# Altium PCB RTM_SFP.PcbDoc (part 16 of 17)
Units mil, origin at the board's own origin, x right, y up, seen from the top; angles counter-clockwise.
Board outline 7185 x 5846.5 mil, 4 copper layers (Top Layer, MidPlane_1, MidPlane_2, Bottom Layer), stack 63.553 mil thick; 389 components, 333 nets, 1578 pads, 1486 vias.
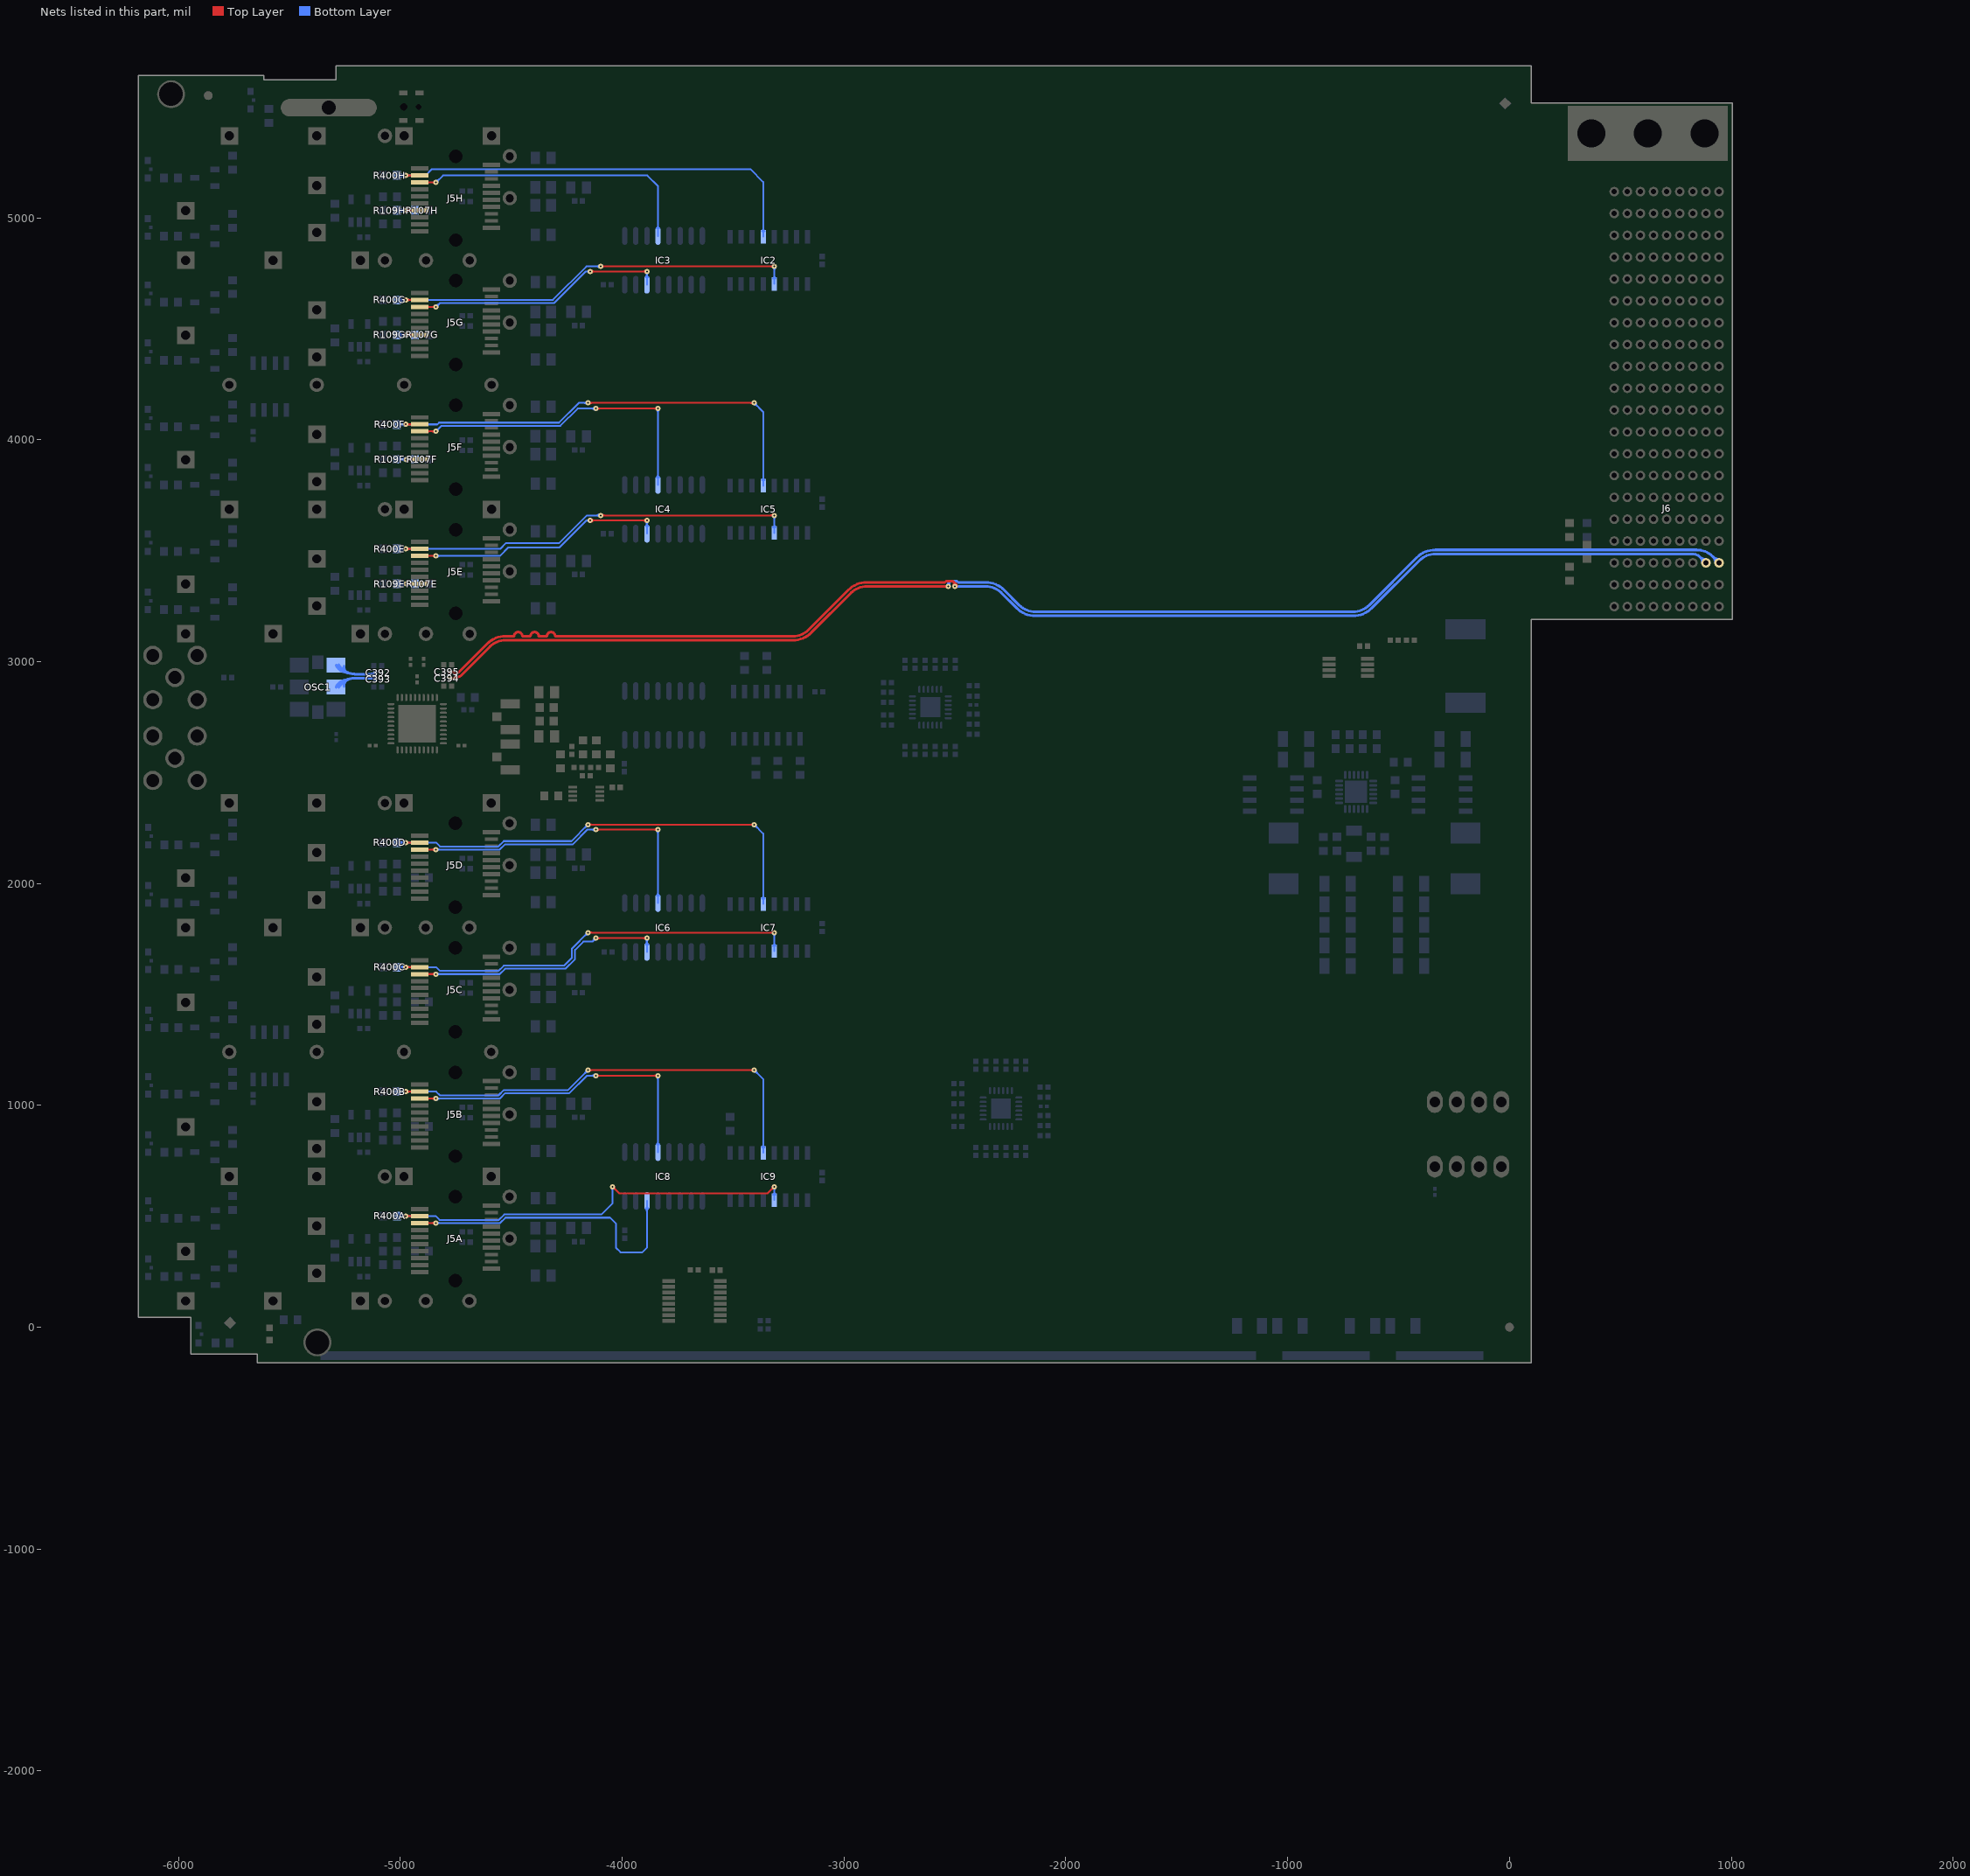
[diagram p18: the nets of this part, all layers, seen from the top]

## Via types
v1: diameter 23.62, hole 7.87, Top Layer to Bottom Layer, tented both sides, 1401 vias
v2: diameter 27.56, hole 11.81, Top Layer to Bottom Layer, tented both sides, 59 vias
v3: diameter 25.98, hole 12.99, Top Layer to Bottom Layer, tented top, 24 vias
v4: diameter 23.62, hole 11.81, Top Layer to Bottom Layer, tented both sides, 2 vias

## Nets (pads, with @x,y where several pads share a name; then routed paths per layer and width w, separated by ;. In a path a pad name is that pad's centre, name@x,y a point inside that pad or via, vN(x,y) a via of type N, cw(c..) or ccw(c..) an arc to the next point about the centre after c; other vN are vias at no path point) (continued)
SFP_SYNCE_REFCLKE: J5E.7 R107E.1 R109E.2 | length 555.2
  Top Layer w7.99: v1(-4974.92,3350.39) J5E.7@-4912.67,3350.39 ; -4956.67,3350.39 ccw(c-4956.67,3365.37) J5E.7@-4946.08,3354.78 ; -4955.45,3350.39 cw(c-4955.45,3337.14) J5E.7@-4946.08,3346.51 ; -4956.05,3350.39 cw(c-4956.05,3369.26) -4969.39,3355.92 ccw(c-4956.05,3369.26) -4956.05,3350.39 ; -4956.05,3350.39 ccw(c-4956.05,3331.53) -4969.39,3344.87 cw(c-4956.05,3331.53) -4956.05,3350.39
  Bottom Layer w7.99: R109E.2@-5015.75,3350.39 v1(-4974.92,3350.39) R107E.1@-4933.65,3350.39 ; R109E.2@-5006.05,3340.69 cw(c-4982.62,3317.27) -4982.62,3350.39 cw(c-4982.62,3383.52) R109E.2@-5006.05,3360.1 ; -4995.85,3346.85 cw(c-4990.71,3327.67) v1@-4979.38,3343.98 ; -4995.85,3353.94 ccw(c-4990.71,3373.12) v1@-4979.38,3356.81 ; -4989.01,3348.68 ccw(c-4992.13,3360.33) v1@-4981.69,3354.3 ; -4989.01,3352.11 cw(c-4992.13,3340.46) v1@-4981.69,3346.49 ; v1@-4970.46,3343.98 cw(c-4958.95,3327.45) -4953.74,3346.9 ; v1@-4970.46,3356.81 ccw(c-4958.95,3373.34) -4953.74,3353.89 ; v1@-4968.15,3346.49 cw(c-4958.05,3340.65) -4961.07,3351.92 ; v1@-4968.15,3354.3 ccw(c-4958.05,3360.13) -4961.07,3348.87 ; R107E.1@-4943.35,3340.69 ccw(c-4966.77,3317.27) -4966.77,3350.39 ccw(c-4966.77,3383.52) R107E.1@-4943.35,3360.1 ; -4993.79,3350.39 cw(c-4993.79,3331.53) -4980.45,3344.87 ccw(c-4993.79,3331.53) -4993.79,3350.39 ; -4993.79,3350.39 ccw(c-4993.79,3369.26) -4980.45,3355.92 cw(c-4993.79,3369.26) -4993.79,3350.39 ; -4956.05,3350.39 cw(c-4956.05,3369.26) -4969.39,3355.92 ccw(c-4956.05,3369.26) -4956.05,3350.39 ; -4956.05,3350.39 ccw(c-4956.05,3331.53) -4969.39,3344.87 cw(c-4956.05,3331.53) -4956.05,3350.39
SFP_SYNCE_REFCLKF: J5F.7 R107F.1 R109F.2 | length 555.2
  Top Layer w7.99: v1(-4974.92,3911.42) J5F.7@-4912.67,3911.42 ; -4956.67,3911.42 ccw(c-4956.67,3926.39) J5F.7@-4946.08,3915.8 ; -4955.45,3911.42 cw(c-4955.45,3898.16) J5F.7@-4946.08,3907.54 ; -4956.05,3911.42 cw(c-4956.05,3930.29) -4969.39,3916.94 ccw(c-4956.05,3930.29) -4956.05,3911.42 ; -4956.05,3911.42 ccw(c-4956.05,3892.55) -4969.39,3905.89 cw(c-4956.05,3892.55) -4956.05,3911.42
  Bottom Layer w7.99: R109F.2@-5015.75,3911.42 v1(-4974.92,3911.42) R107F.1@-4933.65,3911.42 ; R109F.2@-5006.05,3901.72 cw(c-4982.62,3878.29) -4982.62,3911.42 cw(c-4982.63,3944.54) R109F.2@-5006.05,3921.12 ; -4995.85,3907.87 cw(c-4990.71,3888.69) v1@-4979.38,3905 ; -4995.85,3914.96 ccw(c-4990.71,3934.14) v1@-4979.38,3917.84 ; -4989.01,3909.71 ccw(c-4992.13,3921.36) v1@-4981.69,3915.33 ; -4989.01,3913.13 cw(c-4992.13,3901.48) v1@-4981.69,3907.51 ; v1@-4970.46,3905 cw(c-4958.95,3888.47) -4953.74,3907.93 ; v1@-4970.46,3917.83 ccw(c-4958.95,3934.36) -4953.74,3914.91 ; v1@-4968.15,3907.51 cw(c-4958.05,3901.68) -4961.07,3912.94 ; v1@-4968.15,3915.33 ccw(c-4958.05,3921.16) -4961.07,3909.89 ; R107F.1@-4943.35,3901.72 ccw(c-4966.77,3878.29) -4966.77,3911.42 ccw(c-4966.77,3944.54) R107F.1@-4943.35,3921.12 ; -4993.79,3911.42 cw(c-4993.79,3892.55) -4980.45,3905.89 ccw(c-4993.79,3892.55) -4993.79,3911.42 ; -4993.79,3911.42 ccw(c-4993.79,3930.29) -4980.45,3916.94 cw(c-4993.79,3930.29) -4993.79,3911.42 ; -4956.05,3911.42 cw(c-4956.05,3930.29) -4969.39,3916.94 ccw(c-4956.05,3930.29) -4956.05,3911.42 ; -4956.05,3911.42 ccw(c-4956.05,3892.55) -4969.39,3905.89 cw(c-4956.05,3892.55) -4956.05,3911.42
SFP_SYNCE_REFCLKG: J5G.7 R107G.1 R109G.2 | length 555.2
  Top Layer w7.99: v1(-4974.92,4472.44) J5G.7@-4912.67,4472.44 ; -4956.67,4472.44 ccw(c-4956.67,4487.42) J5G.7@-4946.08,4476.83 ; -4955.45,4472.44 cw(c-4955.45,4459.19) J5G.7@-4946.08,4468.56 ; -4956.05,4472.44 cw(c-4956.05,4491.31) -4969.39,4477.97 ccw(c-4956.05,4491.31) -4956.05,4472.44 ; -4956.05,4472.44 ccw(c-4956.05,4453.57) -4969.39,4466.92 cw(c-4956.05,4453.57) -4956.05,4472.44
  Bottom Layer w7.99: R109G.2@-5015.75,4472.44 v1(-4974.92,4472.44) R107G.1@-4933.65,4472.44 ; R109G.2@-5006.05,4462.74 cw(c-4982.62,4439.31) -4982.62,4472.44 cw(c-4982.63,4505.56) R109G.2@-5006.05,4482.14 ; -4995.85,4468.9 cw(c-4990.71,4449.72) v1@-4979.38,4466.02 ; -4995.85,4475.99 ccw(c-4990.71,4495.16) v1@-4979.38,4478.86 ; -4989.01,4470.73 ccw(c-4992.14,4482.38) v1@-4981.69,4476.35 ; -4989.01,4474.15 cw(c-4992.13,4462.51) v1@-4981.69,4468.53 ; v1@-4970.46,4466.03 cw(c-4958.95,4449.49) -4953.74,4468.95 ; v1@-4970.46,4478.86 ccw(c-4958.95,4495.39) -4953.74,4475.93 ; v1@-4968.15,4468.53 cw(c-4958.05,4462.7) -4961.07,4473.97 ; v1@-4968.15,4476.35 ccw(c-4958.05,4482.18) -4961.07,4470.91 ; R107G.1@-4943.35,4462.74 ccw(c-4966.77,4439.31) -4966.77,4472.44 ccw(c-4966.77,4505.56) R107G.1@-4943.35,4482.14 ; -4993.79,4472.44 cw(c-4993.79,4453.57) -4980.45,4466.92 ccw(c-4993.79,4453.57) -4993.79,4472.44 ; -4993.79,4472.44 ccw(c-4993.79,4491.31) -4980.45,4477.97 cw(c-4993.79,4491.31) -4993.79,4472.44 ; -4956.05,4472.44 cw(c-4956.05,4491.31) -4969.39,4477.97 ccw(c-4956.05,4491.31) -4956.05,4472.44 ; -4956.05,4472.44 ccw(c-4956.05,4453.57) -4969.39,4466.92 cw(c-4956.05,4453.57) -4956.05,4472.44
SFP_SYNCE_REFCLKH: J5H.7 R107H.1 R109H.2 | length 555.2
  Top Layer w7.99: v1(-4974.92,5033.47) J5H.7@-4912.67,5033.47 ; -4956.67,5033.47 ccw(c-4956.67,5048.44) J5H.7@-4946.08,5037.85 ; -4955.45,5033.47 cw(c-4955.45,5020.21) J5H.7@-4946.08,5029.58 ; -4956.05,5033.47 cw(c-4956.05,5052.33) -4969.39,5038.99 ccw(c-4956.05,5052.33) -4956.05,5033.47 ; -4956.05,5033.47 ccw(c-4956.05,5014.6) -4969.39,5027.94 cw(c-4956.05,5014.6) -4956.05,5033.47
  Bottom Layer w7.99: R109H.2@-5015.75,5033.47 v1(-4974.92,5033.47) R107H.1@-4933.65,5033.46 ; R109H.2@-5006.05,5023.76 cw(c-4982.62,5000.34) -4982.62,5033.47 cw(c-4982.62,5066.59) R109H.2@-5006.05,5043.17 ; -4995.85,5029.92 cw(c-4990.71,5010.74) v1@-4979.38,5027.05 ; -4995.85,5037.01 ccw(c-4990.71,5056.19) v1@-4979.38,5039.88 ; -4989.01,5031.75 ccw(c-4992.13,5043.4) v1@-4981.69,5037.37 ; -4989.01,5035.18 cw(c-4992.13,5023.53) v1@-4981.69,5029.56 ; v1@-4970.46,5027.05 cw(c-4958.95,5010.51) -4953.74,5029.97 ; v1@-4970.46,5039.88 ccw(c-4958.95,5056.41) -4953.74,5036.96 ; v1@-4968.15,5029.56 cw(c-4958.05,5023.73) -4961.07,5034.99 ; v1@-4968.15,5037.37 ccw(c-4958.05,5043.21) -4961.07,5031.94 ; R107H.1@-4943.35,5023.76 ccw(c-4966.77,5000.34) -4966.77,5033.47 ccw(c-4966.77,5066.59) R107H.1@-4943.35,5043.17 ; -4993.79,5033.47 cw(c-4993.79,5014.6) -4980.45,5027.94 ccw(c-4993.79,5014.6) -4993.79,5033.47 ; -4993.79,5033.47 ccw(c-4993.79,5052.33) -4980.45,5038.99 cw(c-4993.79,5052.33) -4993.79,5033.47 ; -4956.05,5033.47 cw(c-4956.05,5052.33) -4969.39,5038.99 ccw(c-4956.05,5052.33) -4956.05,5033.47 ; -4956.05,5033.47 ccw(c-4956.05,5014.6) -4969.39,5027.94 cw(c-4956.05,5014.6) -4956.05,5033.47
SFP_TXDISABLE1: IC3.4 J5H.3 | length 1502.6
  Top Layer w7.99: J5H.3@-4912.42,5159.7 v1(-4839.51,5159.7) ; J5H.3@-4878.76,5155.57 cw(c-4868.77,5145.59) -4868.77,5159.7 cw(c-4868.77,5173.82) J5H.3@-4878.76,5163.84 ; -4858.38,5159.7 cw(c-4858.38,5140.83) -4845.04,5154.18 ccw(c-4858.38,5140.83) -4858.38,5159.7 ; -4858.38,5159.7 ccw(c-4858.38,5178.57) -4845.04,5165.23 cw(c-4858.38,5178.57) -4858.38,5159.7
  Bottom Layer w7.99: v1(-4839.51,5159.7) -4807.87,5191.34 -3886.61,5191.34 -3838.78,5143.5 IC3.4@-3838.78,4918.52 ; IC3.4@-3844.44,4952.18 ccw(c-3858.1,4965.84) -3838.78,4965.84 ccw(c-3819.46,4965.84) IC3.4@-3833.12,4952.18 ; -4826.17,5173.04 cw(c-4839.51,5186.38) -4839.51,5167.52 ccw(c-4839.51,5186.38) -4826.17,5173.04 ; -4826.17,5173.04 ccw(c-4812.83,5159.7) -4831.7,5159.7 cw(c-4812.83,5159.7) -4826.17,5173.04
SFP_TXDISABLE2: IC3.14 J5G.3 | length 1557.4
  Top Layer w7.99: J5G.3@-4912.42,4598.68 v1(-4839.51,4598.68) ; J5G.3@-4878.76,4594.54 cw(c-4868.77,4584.56) -4868.77,4598.68 cw(c-4868.77,4612.79) J5G.3@-4878.76,4602.81 ; v1(-4143.31,4758.07) v1(-3888.78,4758.07) ; -4858.38,4598.68 cw(c-4858.38,4579.81) -4845.04,4593.15 ccw(c-4858.38,4579.81) -4858.38,4598.68 ; -4858.38,4598.68 ccw(c-4858.38,4617.55) -4845.04,4604.2 cw(c-4858.38,4617.55) -4858.38,4598.68 ; -4124.44,4758.07 cw(c-4124.44,4776.94) -4137.78,4763.6 ccw(c-4124.44,4776.94) -4124.44,4758.07 ; -4124.44,4758.07 ccw(c-4124.44,4739.2) -4137.78,4752.55 cw(c-4124.44,4739.2) -4124.44,4758.07 ; -3907.65,4758.07 cw(c-3907.65,4739.2) -3894.31,4752.55 ccw(c-3907.65,4739.2) -3907.65,4758.07 ; -3907.65,4758.07 ccw(c-3907.65,4776.94) -3894.31,4763.6 cw(c-3907.65,4776.94) -3907.65,4758.07
  Bottom Layer w7.99: v1(-4839.51,4598.68) -4822.02,4616.17 -4306.55,4616.17 -4164.65,4758.07 v1(-4143.31,4758.07) ; IC3.14@-3894.44,4732.18 ccw(c-3908.1,4745.84) -3888.78,4745.84 ccw(c-3869.46,4745.84) IC3.14@-3883.12,4732.18 ; IC3.14@-3888.78,4698.52 v1(-3888.78,4758.07) ; -4826.17,4612.02 cw(c-4839.51,4625.36) -4839.51,4606.49 ccw(c-4839.51,4625.36) -4826.17,4612.02 ; -4826.17,4612.02 ccw(c-4812.83,4598.68) -4831.7,4598.68 cw(c-4812.83,4598.68) -4826.17,4612.02 ; -4162.17,4758.07 cw(c-4162.17,4739.2) -4148.83,4752.55 ccw(c-4162.17,4739.2) -4162.17,4758.07 ; -4162.17,4758.07 ccw(c-4162.17,4776.94) -4148.83,4763.6 cw(c-4162.17,4776.94) -4162.17,4758.07 ; -3888.78,4739.2 cw(c-3869.91,4739.2) -3883.25,4752.55 ccw(c-3869.91,4739.2) -3888.78,4739.2 ; -3888.78,4739.2 ccw(c-3907.65,4739.2) -3894.31,4752.55 cw(c-3907.65,4739.2) -3888.78,4739.2
SFP_TXDISABLE3: IC4.4 J5F.3 | length 1868.5
  Top Layer w7.99: J5F.3@-4912.42,4037.65 v1(-4839.51,4037.65) ; J5F.3@-4878.76,4033.52 cw(c-4868.77,4023.54) -4868.77,4037.65 cw(c-4868.77,4051.77) J5F.3@-4878.76,4041.79 ; v1(-4118.9,4140.55) v1(-3838.78,4140.55) ; -4858.38,4037.65 cw(c-4858.38,4018.79) -4845.04,4032.13 ccw(c-4858.38,4018.79) -4858.38,4037.65 ; -4858.38,4037.65 ccw(c-4858.38,4056.52) -4845.04,4043.18 cw(c-4858.38,4056.52) -4858.38,4037.65 ; -4100.03,4140.55 cw(c-4100.03,4159.42) -4113.37,4146.08 ccw(c-4100.03,4159.42) -4100.03,4140.55 ; -4100.03,4140.55 ccw(c-4100.03,4121.68) -4113.37,4135.03 cw(c-4100.03,4121.68) -4100.03,4140.55 ; -3857.65,4140.55 cw(c-3857.65,4121.68) -3844.31,4135.03 ccw(c-3857.65,4121.68) -3857.65,4140.55 ; -3857.65,4140.55 ccw(c-3857.65,4159.42) -3844.31,4146.08 cw(c-3857.65,4159.42) -3857.65,4140.55
  Bottom Layer w7.99: v1(-4839.51,4037.65) -4814.2,4062.96 -4278.57,4062.96 -4200.98,4140.55 v1(-4118.9,4140.55) ; IC4.4@-3844.44,3830.13 ccw(c-3858.1,3843.8) -3838.78,3843.8 ccw(c-3819.46,3843.8) IC4.4@-3833.12,3830.13 ; IC4.4@-3838.78,3796.47 v1(-3838.78,4140.55) ; -4826.17,4051 cw(c-4839.51,4064.34) -4839.51,4045.47 ccw(c-4839.51,4064.34) -4826.17,4051 ; -4826.17,4051 ccw(c-4812.83,4037.65) -4831.7,4037.65 cw(c-4812.83,4037.65) -4826.17,4051 ; -4137.76,4140.55 cw(c-4137.76,4121.68) -4124.42,4135.03 ccw(c-4137.76,4121.68) -4137.76,4140.55 ; -4137.76,4140.55 ccw(c-4137.76,4159.42) -4124.42,4146.08 cw(c-4137.76,4159.42) -4137.76,4140.55 ; -3838.78,4121.68 cw(c-3819.91,4121.68) -3833.25,4135.03 ccw(c-3819.91,4121.68) -3838.78,4121.68 ; -3838.78,4121.68 ccw(c-3857.65,4121.68) -3844.31,4135.03 cw(c-3857.65,4121.68) -3838.78,4121.68
SFP_TXDISABLE4: IC4.14 J5E.3 | length 1556.6
  Top Layer w7.99: J5E.3@-4912.42,3476.63 v1(-4839.51,3476.63) ; J5E.3@-4878.76,3472.5 cw(c-4868.77,3462.52) -4868.77,3476.63 cw(c-4868.77,3490.74) J5E.3@-4878.76,3480.76 ; v1(-4143.31,3636.02) v1(-3888.78,3636.02) ; -4858.38,3476.63 cw(c-4858.38,3457.76) -4845.04,3471.1 ccw(c-4858.38,3457.76) -4858.38,3476.63 ; -4858.38,3476.63 ccw(c-4858.38,3495.5) -4845.04,3482.16 cw(c-4858.38,3495.5) -4858.38,3476.63 ; -4124.44,3636.02 cw(c-4124.44,3654.89) -4137.78,3641.55 ccw(c-4124.44,3654.89) -4124.44,3636.02 ; -4124.44,3636.02 ccw(c-4124.44,3617.16) -4137.78,3630.5 cw(c-4124.44,3617.16) -4124.44,3636.02 ; -3907.65,3636.02 cw(c-3907.65,3617.16) -3894.31,3630.5 ccw(c-3907.65,3617.16) -3907.65,3636.02 ; -3907.65,3636.02 ccw(c-3907.65,3654.89) -3894.31,3641.55 cw(c-3907.65,3654.89) -3907.65,3636.02
  Bottom Layer w7.99: v1(-4839.51,3476.63) -4551.72,3476.63 -4514.17,3514.17 -4283.86,3514.17 -4162.01,3636.02 ; v1(-4143.31,3636.02) -4162.01,3636.02 ; IC4.14@-3894.44,3610.13 ccw(c-3908.1,3623.8) -3888.78,3623.8 ccw(c-3869.46,3623.8) IC4.14@-3883.12,3610.13 ; IC4.14@-3888.78,3576.47 v1(-3888.78,3636.02) ; -4820.64,3476.63 cw(c-4820.64,3495.5) -4833.99,3482.16 ccw(c-4820.64,3495.5) -4820.64,3476.63 ; -4820.64,3476.63 ccw(c-4820.64,3457.76) -4833.99,3471.1 cw(c-4820.64,3457.76) -4820.64,3476.63 ; -4162.01,3636.02 cw(c-4162.01,3617.56) -4148.87,3630.53 ccw(c-4162.01,3617.56) -4162.01,3636.02 ; -4162.01,3636.02 ccw(c-4162.01,3654.49) -4148.87,3641.51 cw(c-4162.01,3654.49) -4162.01,3636.02 ; -3888.78,3617.16 cw(c-3869.91,3617.16) -3883.25,3630.5 ccw(c-3869.91,3617.16) -3888.78,3617.16 ; -3888.78,3617.16 ccw(c-3907.65,3617.16) -3894.31,3630.5 cw(c-3907.65,3617.16) -3888.78,3617.16
SFP_TXDISABLE5: IC6.4 J5D.3 | length 1851.2
  Top Layer w7.99: J5D.3@-4912.98,2152.61 v1(-4840.07,2152.61) ; J5D.3@-4879.31,2148.47 cw(c-4869.33,2138.49) -4869.33,2152.61 cw(c-4869.33,2166.72) J5D.3@-4879.31,2156.74 ; v1(-4118.9,2242.91) v1(-3838.78,2242.91) ; -4858.94,2152.61 cw(c-4858.94,2133.74) -4845.6,2147.08 ccw(c-4858.94,2133.74) -4858.94,2152.61 ; -4858.94,2152.61 ccw(c-4858.94,2171.47) -4845.6,2158.13 cw(c-4858.94,2171.47) -4858.94,2152.61 ; -4100.03,2242.91 cw(c-4100.03,2261.77) -4113.37,2248.43 ccw(c-4100.03,2261.77) -4100.03,2242.91 ; -4100.03,2242.91 ccw(c-4100.03,2224.04) -4113.37,2237.38 cw(c-4100.03,2224.04) -4100.03,2242.91 ; -3857.65,2242.91 cw(c-3857.65,2224.04) -3844.31,2237.38 ccw(c-3857.65,2224.04) -3857.65,2242.91 ; -3857.65,2242.91 ccw(c-3857.65,2261.77) -3844.31,2248.43 cw(c-3857.65,2261.77) -3857.65,2242.91
  Bottom Layer w7.99: v1(-4840.07,2152.61) -4552.28,2152.61 -4528.11,2176.77 -4222.72,2176.77 -4156.59,2242.91 v1(-4118.9,2242.91) ; IC6.4@-3844.44,1945.09 ccw(c-3858.1,1958.75) -3838.78,1958.75 ccw(c-3819.46,1958.75) IC6.4@-3833.12,1945.09 ; IC6.4@-3838.78,1911.43 v1(-3838.78,2242.91) ; -4821.2,2152.61 cw(c-4821.2,2171.47) -4834.54,2158.13 ccw(c-4821.2,2171.47) -4821.2,2152.61 ; -4821.2,2152.61 ccw(c-4821.2,2133.74) -4834.54,2147.08 cw(c-4821.2,2133.74) -4821.2,2152.61 ; -4137.76,2242.91 cw(c-4137.76,2224.04) -4124.42,2237.38 ccw(c-4137.76,2224.04) -4137.76,2242.91 ; -4137.76,2242.91 ccw(c-4137.76,2261.77) -4124.42,2248.43 cw(c-4137.76,2261.77) -4137.76,2242.91 ; -3838.78,2224.04 cw(c-3819.91,2224.04) -3833.25,2237.38 ccw(c-3819.91,2224.04) -3838.78,2224.04 ; -3838.78,2224.04 ccw(c-3857.65,2224.04) -3844.31,2237.38 cw(c-3857.65,2224.04) -3838.78,2224.04
SFP_TXDISABLE6: IC6.14 J5C.3 | length 1585.5
  Top Layer w7.99: J5C.3@-4912.98,1591.58 v1(-4840.07,1591.58) ; J5C.3@-4879.31,1587.45 cw(c-4869.33,1577.47) -4869.33,1591.58 cw(c-4869.33,1605.7) J5C.3@-4879.31,1595.72 ; v1(-4118.9,1753.54) v1(-3888.78,1753.54) ; -4858.94,1591.58 cw(c-4858.94,1572.72) -4845.6,1586.06 ccw(c-4858.94,1572.72) -4858.94,1591.58 ; -4858.94,1591.58 ccw(c-4858.94,1610.45) -4845.6,1597.11 cw(c-4858.94,1610.45) -4858.94,1591.58 ; -4100.03,1753.54 cw(c-4100.03,1772.4) -4113.37,1759.06 ccw(c-4100.03,1772.4) -4100.03,1753.54 ; -4100.03,1753.54 ccw(c-4100.03,1734.67) -4113.37,1748.01 cw(c-4100.03,1734.67) -4100.03,1753.54 ; -3907.65,1753.54 cw(c-3907.65,1734.67) -3894.31,1748.01 ccw(c-3907.65,1734.67) -3907.65,1753.54 ; -3907.65,1753.54 ccw(c-3907.65,1772.4) -3894.31,1759.06 cw(c-3907.65,1772.4) -3907.65,1753.54
  Bottom Layer w7.99: v1(-4840.07,1591.58) -4552.28,1591.58 -4528.11,1615.75 -4256.68,1615.75 -4212.96,1659.48 -4212.96,1700.32 -4175.09,1738.19 -4134.24,1738.19 v1(-4118.9,1753.54) ; IC6.14@-3894.44,1725.09 ccw(c-3908.1,1738.75) -3888.78,1738.75 ccw(c-3869.46,1738.75) IC6.14@-3883.12,1725.09 ; IC6.14@-3888.78,1691.43 v1(-3888.78,1753.54) ; -4821.2,1591.58 cw(c-4821.2,1610.45) -4834.54,1597.11 ccw(c-4821.2,1610.45) -4821.2,1591.58 ; -4821.2,1591.58 ccw(c-4821.2,1572.72) -4834.54,1586.06 cw(c-4821.2,1572.72) -4821.2,1591.58 ; -4132.24,1740.19 cw(c-4118.9,1726.85) -4118.9,1745.72 ccw(c-4118.9,1726.85) -4132.24,1740.19 ; -4132.24,1740.19 ccw(c-4145.58,1753.54) -4126.71,1753.54 cw(c-4145.58,1753.54) -4132.24,1740.19 ; -3888.78,1734.67 cw(c-3869.91,1734.67) -3883.25,1748.01 ccw(c-3869.91,1734.67) -3888.78,1734.67 ; -3888.78,1734.67 ccw(c-3907.65,1734.67) -3894.31,1748.01 cw(c-3907.65,1734.67) -3888.78,1734.67
SFP_TXDISABLE7: IC8.4 J5B.3 | length 1869.1
  Top Layer w7.99: J5B.3@-4912.98,1030.56 v1(-4840.07,1030.56) ; J5B.3@-4879.31,1026.43 cw(c-4869.33,1016.44) -4869.33,1030.56 cw(c-4869.33,1044.67) J5B.3@-4879.31,1034.69 ; v1(-4118.9,1133.46) v1(-3838.78,1133.46) ; -4858.94,1030.56 cw(c-4858.94,1011.69) -4845.6,1025.03 ccw(c-4858.94,1011.69) -4858.94,1030.56 ; -4858.94,1030.56 ccw(c-4858.94,1049.43) -4845.6,1036.09 cw(c-4858.94,1049.43) -4858.94,1030.56 ; -4100.03,1133.46 cw(c-4100.03,1152.32) -4113.37,1138.98 ccw(c-4100.03,1152.32) -4100.03,1133.46 ; -4100.03,1133.46 ccw(c-4100.03,1114.59) -4113.37,1127.93 cw(c-4100.03,1114.59) -4100.03,1133.46 ; -3857.65,1133.46 cw(c-3857.65,1114.59) -3844.31,1127.93 ccw(c-3857.65,1114.59) -3857.65,1133.46 ; -3857.65,1133.46 ccw(c-3857.65,1152.32) -3844.31,1138.98 cw(c-3857.65,1152.32) -3857.65,1133.46
  Bottom Layer w7.99: v1(-4840.07,1030.56) -4552.28,1030.56 -4528.11,1054.72 -4238.19,1054.72 -4159.46,1133.46 v1(-4118.9,1133.46) ; IC8.4@-3844.44,823.04 ccw(c-3858.1,836.7) -3838.78,836.7 ccw(c-3819.46,836.7) IC8.4@-3833.12,823.04 ; IC8.4@-3838.78,789.38 v1(-3838.78,1133.46) ; -4821.2,1030.56 cw(c-4821.2,1049.43) -4834.54,1036.09 ccw(c-4821.2,1049.43) -4821.2,1030.56 ; -4821.2,1030.56 ccw(c-4821.2,1011.69) -4834.54,1025.03 cw(c-4821.2,1011.69) -4821.2,1030.56 ; -4137.76,1133.46 cw(c-4137.76,1114.59) -4124.42,1127.93 ccw(c-4137.76,1114.59) -4137.76,1133.46 ; -4137.76,1133.46 ccw(c-4137.76,1152.32) -4124.42,1138.98 cw(c-4137.76,1152.32) -4137.76,1133.46 ; -3838.78,1114.59 cw(c-3819.91,1114.59) -3833.25,1127.93 ccw(c-3819.91,1114.59) -3838.78,1114.59 ; -3838.78,1114.59 ccw(c-3857.65,1114.59) -3844.31,1127.93 cw(c-3857.65,1114.59) -3838.78,1114.59
SFP_TXDISABLE8: IC8.14 J5A.3 | length 1553.2
  Top Layer w7.99: J5A.3@-4912.98,469.54 v1(-4840.07,469.54) ; J5A.3@-4879.31,465.4 cw(c-4869.33,455.42) -4869.33,469.54 cw(c-4869.33,483.65) J5A.3@-4879.31,473.67 ; -4858.94,469.54 cw(c-4858.94,450.67) -4845.6,464.01 ccw(c-4858.94,450.67) -4858.94,469.54 ; -4858.94,469.54 ccw(c-4858.94,488.4) -4845.6,475.06 cw(c-4858.94,488.4) -4858.94,469.54
  Bottom Layer w7.99: v1(-4840.07,469.54) -4550.31,469.54 -4526,493.85 -4055.12,493.85 -4028.74,467.47 -4028.74,358.66 -4007.87,337.8 -3909.45,337.8 -3888.78,358.46 IC8.14@-3888.78,569.38 ; IC8.14@-3894.44,535.72 cw(c-3908.1,522.05) -3888.78,522.05 cw(c-3869.46,522.05) IC8.14@-3883.12,535.72 ; -4821.2,469.54 cw(c-4821.2,488.4) -4834.54,475.06 ccw(c-4821.2,488.4) -4821.2,469.54 ; -4821.2,469.54 ccw(c-4821.2,450.67) -4834.54,464.01 cw(c-4821.2,450.67) -4821.2,469.54
SFP_TXFAULT1: IC2.12 J5H.2 R400H.1 | length 2331.9
  Top Layer w7.99: v1(-4975.73,5191.2) J5H.2@-4912.42,5191.2 ; J5H.2@-4946.08,5187.06 ccw(c-4956.06,5177.08) -4956.06,5191.2 ccw(c-4956.06,5205.31) J5H.2@-4946.08,5195.33 ; -4956.86,5191.2 cw(c-4956.86,5210.07) -4970.21,5196.72 ccw(c-4956.86,5210.07) -4956.86,5191.2 ; -4956.86,5191.2 ccw(c-4956.86,5172.33) -4970.21,5185.67 cw(c-4956.86,5172.33) -4956.86,5191.2
  Bottom Layer w7.99: R400H.1@-5015.75,5190.94 v1@-4975.98,5190.95 ; R400H.1@-5006.05,5181.24 cw(c-4982.62,5157.82) -4982.62,5190.95 cw(c-4982.63,5224.07) R400H.1@-5006.05,5200.65 ; -4996.61,5187.2 cw(c-4991.2,5167.03) v1@-4979.94,5184.62 ; -4995.79,5194.47 ccw(c-4991.16,5211.75) v1@-4980.42,5197.45 ; -4990.76,5188.76 ccw(c-4994.29,5201.91) v1@-4982.5,5195.11 ; -4989.75,5192.86 cw(c-4992.84,5181.32) v1@-4982.5,5187.29 ; v1(-4975.73,5191.2) -4885.97,5191.2 -4857.84,5219.32 -3422.47,5219.32 -3364.17,5161.02 IC2.12@-3364.17,4914.82 ; IC2.12@-3369.7,4939.05 ccw(c-3383.04,4952.39) -3364.17,4952.39 ccw(c-3345.31,4952.39) IC2.12@-3358.65,4939.05 ; -4956.86,5191.2 cw(c-4956.86,5210.07) -4970.21,5196.72 ccw(c-4956.86,5210.07) -4956.86,5191.2 ; -4956.86,5191.2 ccw(c-4956.86,5172.33) -4970.21,5185.67 cw(c-4956.86,5172.33) -4956.86,5191.2 ; -4995.21,5190.95 ccw(c-4995.21,5210.67) -4981.26,5196.72 cw(c-4995.21,5210.67) -4995.21,5190.95 ; -4993.99,5190.95 cw(c-4993.99,5172.94) -4981.26,5185.67 ccw(c-4993.99,5172.94) -4993.99,5190.95
SFP_TXFAULT2: IC2.4 J5G.2 R400G.1 | length 2474.5
  Top Layer w7.99: v1(-4975.73,4630.17) J5G.2@-4912.42,4630.17 ; J5G.2@-4946.08,4626.04 ccw(c-4956.06,4616.06) -4956.06,4630.17 ccw(c-4956.06,4644.29) J5G.2@-4946.08,4634.31 ; v1(-4097.64,4781.1) v1(-3314.17,4781.1) ; -4956.86,4630.17 cw(c-4956.86,4649.04) -4970.21,4635.7 ccw(c-4956.86,4649.04) -4956.86,4630.17 ; -4956.86,4630.17 ccw(c-4956.86,4611.31) -4970.21,4624.65 cw(c-4956.86,4611.31) -4956.86,4630.17 ; -4078.77,4781.1 cw(c-4078.77,4799.97) -4092.11,4786.63 ccw(c-4078.77,4799.97) -4078.77,4781.1 ; -4078.77,4781.1 ccw(c-4078.77,4762.24) -4092.11,4775.58 cw(c-4078.77,4762.24) -4078.77,4781.1 ; -3333.04,4781.1 cw(c-3333.04,4762.24) -3319.7,4775.58 ccw(c-3333.04,4762.24) -3333.04,4781.1 ; -3333.04,4781.1 ccw(c-3333.04,4799.97) -3319.7,4786.63 cw(c-3333.04,4799.97) -3333.04,4781.1